# Altium PCB ECU rev B pcb.PcbDoc (part 3 of 6) (continued)
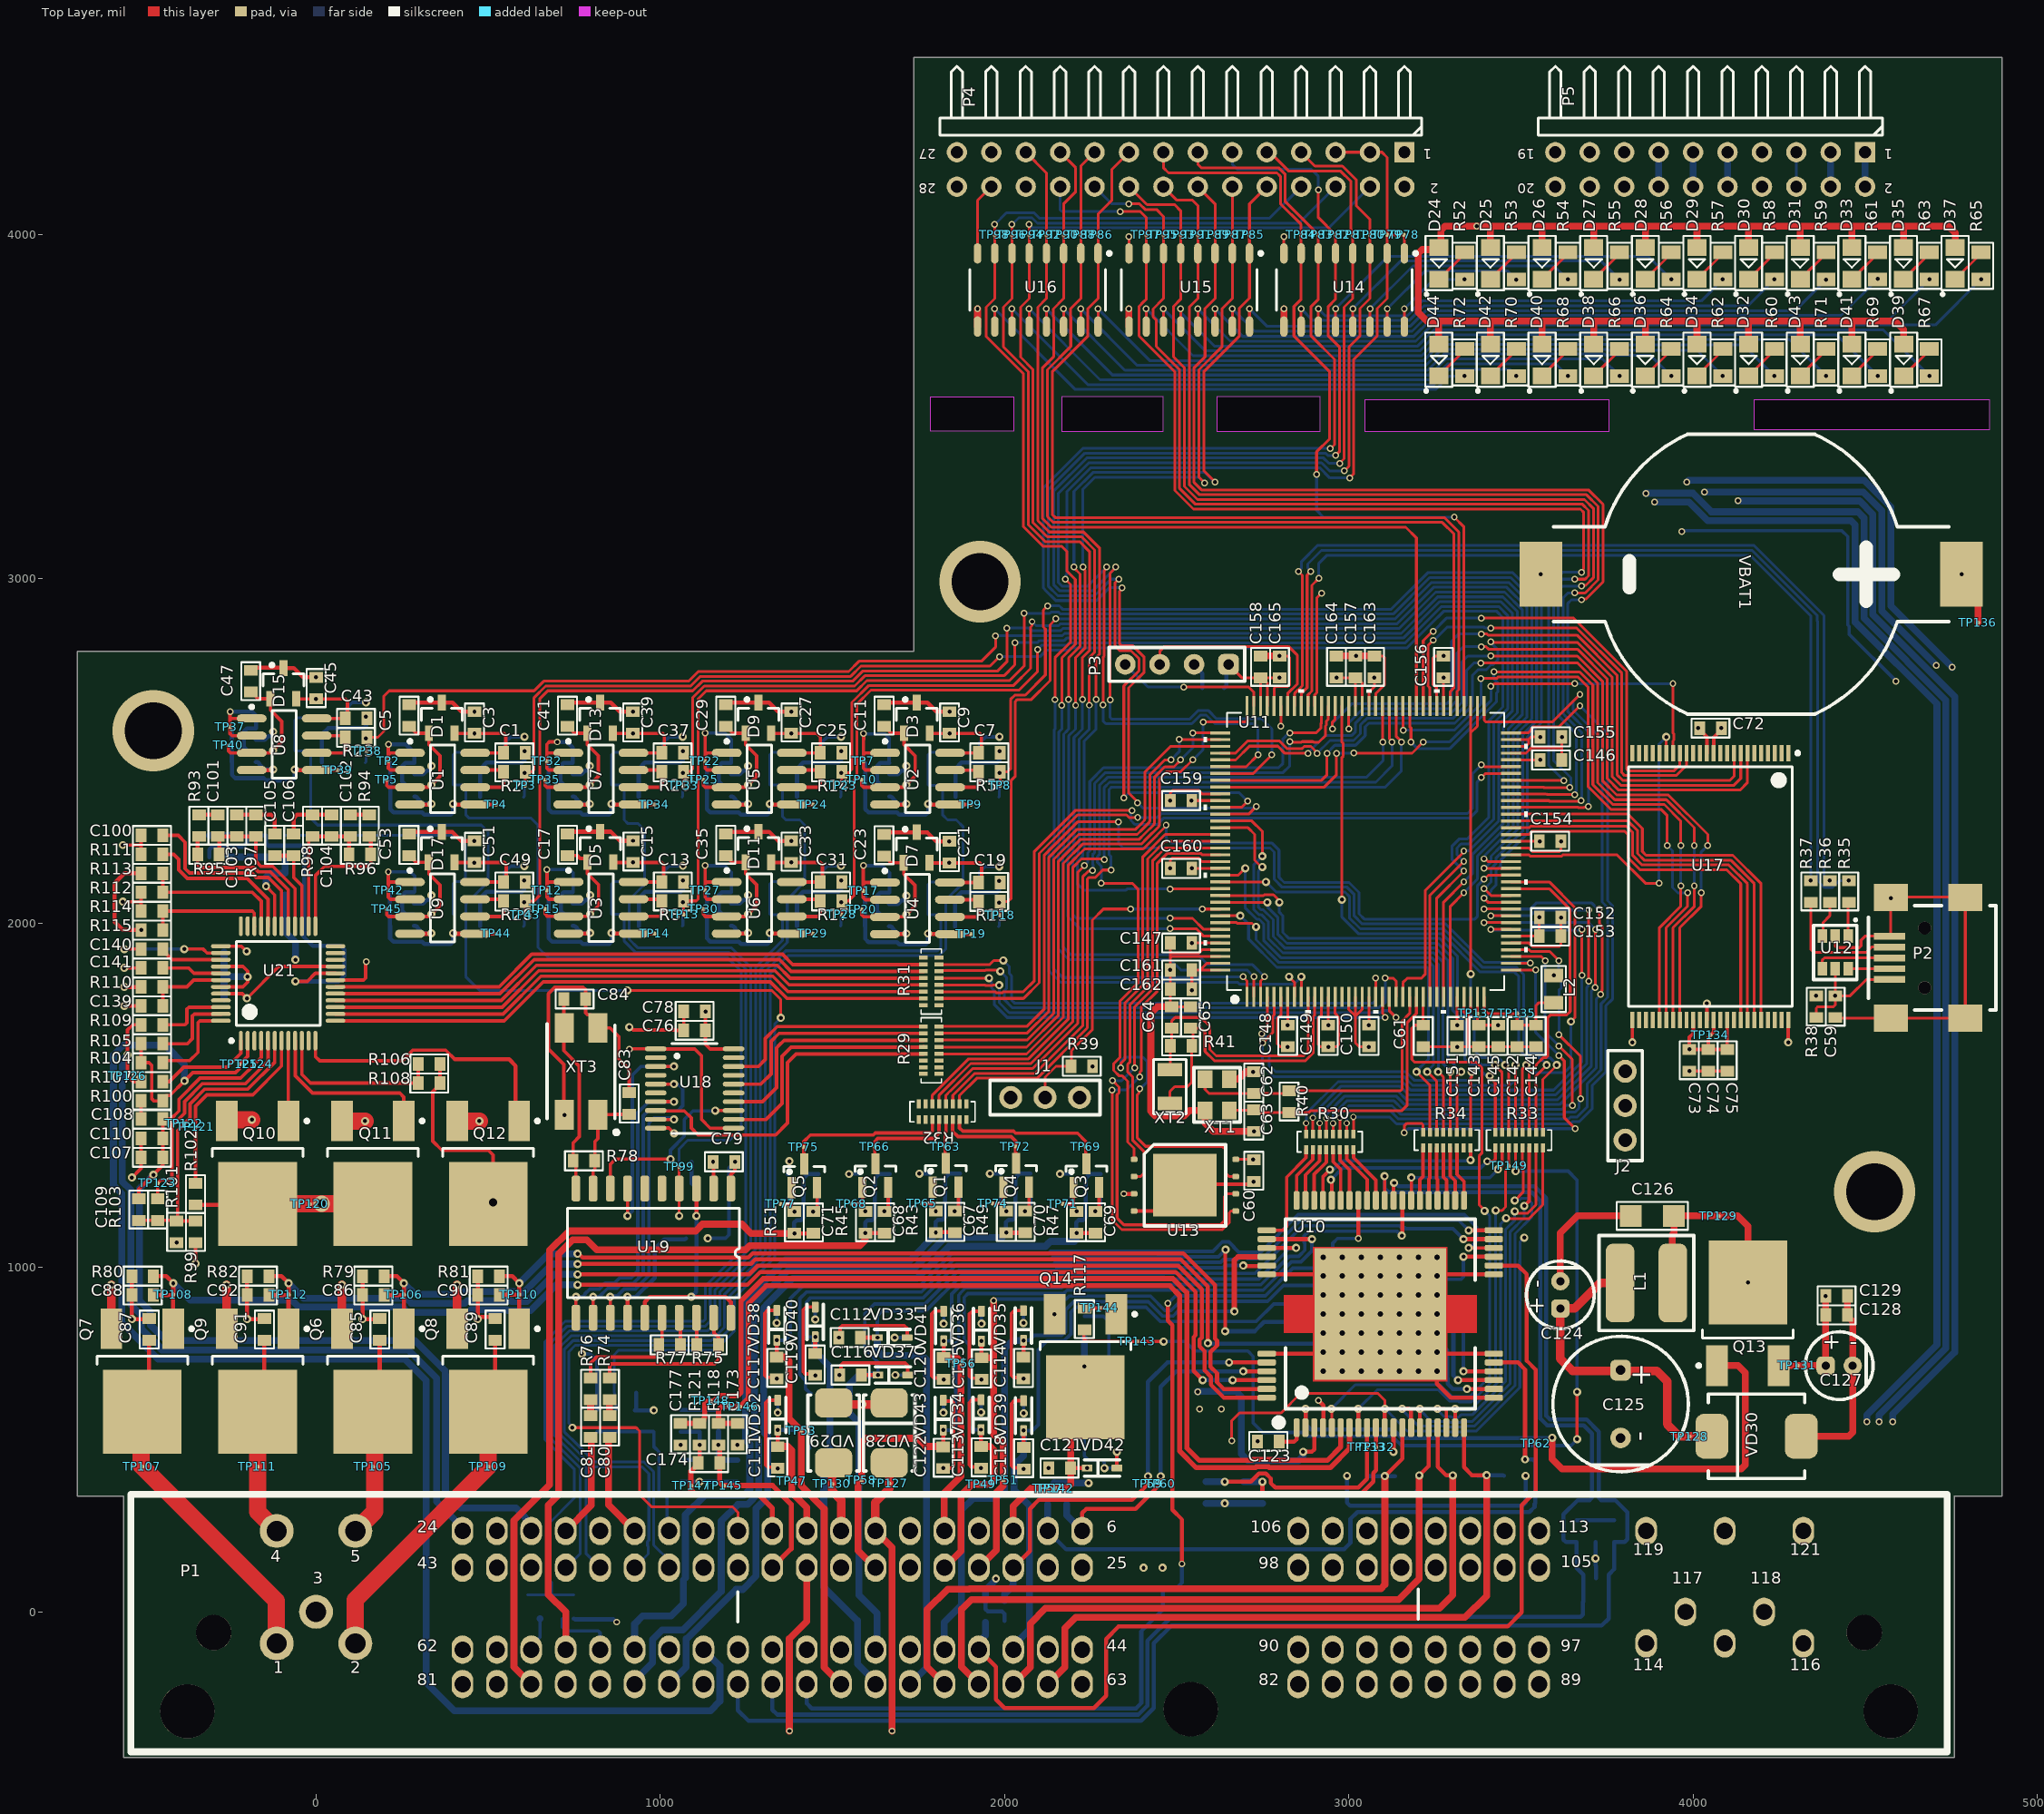
[diagram p0: Top Layer view]
## Nets (pads, with @x,y where several pads share a name; then routed paths per layer and width w, separated by ;. In a path a pad name is that pad's centre, name@x,y a point inside that pad or via, vN(x,y) a via of type N, cw(c..) or ccw(c..) an arc to the next point about the centre after c; other vN are vias at no path point) (continued)
  Bottom Layer w15: C170.1@1169.29,523.62 v1(1169.29,484.25) 1169.61,483.94 C172.2@1169.61,440.83 C171.2@1224.61,440.83
CPS_P: C174.1 C175.2 C176.2 P1.15 R119.2 R120.2 R121.1 TP147.0 | length 658.4
  Top Layer w12: C174.1@1110.24,429.13 1114.17,433.07 v1(1114.17,484.25)
  Top Layer w15: C174.1@1110.24,429.13 1089.18,408.08 1089.18,366.14 1089.18,354.21 1102.05,341.34 1285.47,341.34 1325.59,301.21 P1.15@1325.59,235.04
  Bottom Layer w12: C175.2@1059.06,440.83 C176.2@1114.49,440.83 1114.17,441.14 v1(1114.17,484.25) R120.2@1114.17,523.62 R119.2@1059.06,523.62
"ESF D": Q3.3 R32.15 TP69.0 | length 473.1
  Top Layer w10: R32.15@1869.37,1430 1869.37,1405.63 1879,1396 2026.08,1396 2032.08,1390 2212.36,1390 2236.22,1366.14 TP69.0@2236.22,1350.32 2236.22,1303.15 2237.89,1301.48 Q3.3@2237.89,1301.31
"ESF sensor": C69.2 P1.75 R47.1 TP70.0 VD13.2 | length 2519
  Top Layer w12: v1(2209.25,1100.02) C69.2@2264.42,1100.02
  Bottom Layer w12: v1@2208.66,1100.61 TP70.0@2208.66,1125.98 2208.66,1130.77 2215.69,1137.8 2228.35,1137.8 2236.22,1145.67 2236.22,1259.84 2248.03,1271.65 VD13.2@2279.53,1271.65
  Bottom Layer w20: P1.75@1025.59,-209.84 1074.8,-160.63 1074.8,-78.5 1076.38,-78.5 1220.03,65.15 1239.41,65.15 1278.09,103.84 1278.09,299.72 1312.29,333.92 1312.29,509.24 1300.03,521.5 1300.03,882.87 1312.74,895.58 1312.74,896.32 1321.27,904.86 1321.27,905.21 1384.56,968.5 1745.93,968.5 1838.81,1061.38 2118.29,1061.38 2126.17,1069.25 2127.2,1069.25 2133.95,1076 2203.69,1076 2208.66,1080.97 v1@2208.66,1098.43
FAN1: C112.2 P1.68 TP48.0 U10.31 VD17.2 VD33.1 | length 3179.8
  Top Layer w12: C112.2@1582.02,796.52 v2(1630.64,796.52) ; v1(3333.27,1082.48) U10.31@3421.89,1082.52
  Bottom Layer w10: v2(1630.64,796.52) 1630.64,858.99 1645.67,874.02 1771.65,874.02 1874.02,976.38 2154.54,976.38 2160.81,982.65 2463.98,982.65 2464.22,982.9 2727.9,982.9 2866.29,1121.29 3147.33,1121.29 3148.45,1120.17 3149.67,1118.95 3150.53,1118.95 3153.95,1115.53 3163.59,1115.53 3165.92,1113.19 3302.56,1113.19 v1(3333.27,1082.48)
  Bottom Layer w20: v2(1630.64,796.52) 1630.64,759.12 TP48.0@1645.67,744.09 1761.37,744.09 1773.09,732.38 1773.09,-162.35 P1.68@1725.59,-209.84
FAN2: C113.2 P1.29 TP49.0 U10.54 VD18.2 VD34.1 | length 2172.7
  Top Layer w12: C113.2@1932.24,480.39 v2(1932.24,529.01) ; U10.54@2761.89,1082.52 v1(2893.11,1082.48) v1(2893.11,1082.48)
  Top Layer w20: P1.29@1825.59,128.35 1874.02,176.77 1874.02,338.58 1905.51,370.08 TP49.0@1931.97,370.08 1958.35,370.08 1970.06,381.79 1970.06,468.6 1958.35,480.32 1932.32,480.32 C113.2@1932.24,480.39
  Bottom Layer w10: v2(1932.24,529.01) 1908,529.01 1897.64,539.37 1897.64,775.17 1883,789.81 1883,913 1894.27,924.27 2172.3,924.27 2182.09,934.06 2731.49,934.06 2751.43,934.06 2833.96,1016.59 2838.96,1016.59 2861.64,1016.59 2863.13,1018.08 2893.11,1048.07 v1(2893.11,1082.48)
FMC_D0: U11.84 U17.29 | length 2008.7
  Top Layer w8: U11.84@3177.13,2630.49 3177.13,2570.87 3181,2567 v2(3181,2526.29) ; v2(3422,2731) 3423.16,2729.84 3671.02,2729.84 3709.43,2691.43 3709.43,2402.49 3767.16,2344.76 3916.88,2344.76 3964.57,2297.07 v2(3964.57,2226.13) ; U17.29@3902.79,1718.57 3902.79,1987.18 3964.57,2048.96 v2(3964.57,2108.02)
  Bottom Layer w8: v2(3181,2526.29) 3181,2526 3182,2525 3182.29,2525 3200.84,2506.45 3292.85,2506.45 3429,2642.6 3429,2668 3432.84,2671.84 3432.84,2698.39 3422,2709.23 v2(3422,2731) ; v2(3964.57,2108.02) v2(3964.57,2226.13)
FMC_D1: U11.85 U17.30 | length 1944.2
  Top Layer w8: U11.85@3157.44,2630.49 3157.44,2631.68 3157.48,2631.72 3157.48,2561.52 v2(3158,2561) ; v2(3384,2711) 3430.06,2711 3434.9,2715.84 3665.22,2715.84 3695.43,2685.63 3695.43,2396.69 3761.36,2330.76 3907.26,2330.76 3925.2,2312.82 v2(3925.2,2226.13) ; U17.30@3922.47,1718.57 3922.47,1987.07 3984.25,2048.85 3984.25,2088.17 v2(3984.41,2088.33)
  Bottom Layer w8: v2(3158,2561) 3307.8,2561 3314.8,2568 3350,2603.2 3384,2637.2 v2(3384,2711) ; v2(3925.2,2226.13) 3940.94,2210.38 3940.94,2103.58 3956.35,2088.17 3983.94,2088.17 3984.25,2088.49 v2(3984.41,2088.33)
FMC_D2: U11.112 U17.31 | length 2545.9
  Top Layer w8: U11.112@2627.17,2493.92 2671.12,2493.92 2706.47,2529.27 2798.96,2529.27 2820.77,2507.45 2864.79,2507.45 2870.79,2513.45 2890.22,2513.45 2908.54,2495.13 v2(2908.54,2493.61) ; v2(3384,2756) 3664.66,2756 3723.43,2697.23 3723.43,2408.29 3772.96,2358.76 3922.68,2358.76 4003.94,2277.5 v2(4003.94,2226.13) ; U17.31@3942.16,1718.57 3942.16,1986.95 4004.25,2049.05 4004.25,2107.7 v2(4003.94,2108.02)
  Bottom Layer w8: v2(2908.54,2493.61) 2945.88,2530.95 3014.02,2530.95 3033.84,2550.77 3033.84,2576.04 3052.8,2595 3302.2,2595 3343,2635.8 3343,2735 3364,2756 v2(3384,2756) ; v2(4003.94,2108.02) v2(4003.94,2226.13)
FMC_D3: U11.113 U17.32 | length 2601
  Top Layer w8: U11.113@2627.17,2474.24 2671.8,2474.24 2711.83,2514.27 2794.16,2514.27 2814.97,2493.45 2881.84,2493.45 v2(2882,2493.61) ; v2(3413,2776) 3664.46,2776 3737.43,2703.03 3737.43,2414.08 3778.76,2372.76 3928.48,2372.76 4043.31,2257.93 v2(4043.31,2226.13) ; U17.32@3961.84,1718.57 3961.84,1986.84 4024.09,2049.09 v2(4024.09,2088.33)
  Bottom Layer w8: v2(2882,2493.61) 2881.39,2493.61 2881,2494 2881,2494.13 2931.87,2545 2944.48,2545 2944.54,2544.95 3008.22,2544.95 3019.84,2556.57 3019.84,2581.84 3047,2609 3296.4,2609 3329,2641.6 3329,2759 3346,2776 v2(3413,2776) ; v2(4024.09,2088.33) 4024.09,2206.91 v2(4043.31,2226.13)
FMC_D4: U11.57 U17.41 | length 1170.7
  Top Layer w8: U11.57@3471.17,2257.7 3523.96,2257.7 3533.96,2267.7 3801.02,2267.7 3811.02,2257.7 3811.02,2190.77 3846.46,2155.34 4098.35,2155.34 4139.01,2114.68 U17.41@4139.01,1718.57
FMC_D5: U11.58 U17.42 | length 1193.9
  Top Layer w8: U11.58@3471.17,2277.39 3523.85,2277.39 3528.16,2281.7 3806.82,2281.7 3825.02,2263.5 3825.02,2196.57 3852.26,2169.34 4104.15,2169.34 4158.69,2114.79 U17.42@4158.69,1718.57
FMC_D6: U11.59 U17.43 | length 1218.2
  Top Layer w8: U11.59@3471.17,2297.07 3811.25,2297.07 3839.02,2269.3 3839.02,2202.37 3858.05,2183.34 4109.94,2183.34 4178.38,2114.91 U17.43@4178.38,1718.57
FMC_D7: U11.60 U17.44 | length 1246.1
  Top Layer w8: U11.60@3471.17,2316.76 3811.37,2316.76 3853.02,2275.1 3853.02,2208.17 3863.85,2197.34 4115.74,2197.34 4198.06,2115.02 U17.44@4198.06,1718.57
"Fuel press": C117.2 P1.70 TP53.0 U10.30 VD22.2 VD38.1 | length 3519.1
  Top Layer w10: v1(3348.63,1056.89) U10.30@3421.89,1056.93
  Top Layer w12: C117.2@1338.58,740.16 v2(1338.58,788.78)
  Top Layer w20: C117.2@1338.58,740.16 1362.21,740.16 1374.27,728.1 1374.27,561.18 TP53.0@1409.45,526 1409.45,366.14 1476.38,299.21 1476.38,-160.63 P1.70@1525.59,-209.84
  Bottom Layer w10: v2(1338.58,788.78) 1363.58,788.78 1377.95,803.15 1377.95,909.45 1416.01,947.5 1754.63,947.5 1847.51,1040.38 2126.99,1040.38 2133.27,1046.65 2437.47,1046.65 2438.11,1047.3 2605.59,1047.3 2632.88,1074.58 2651.78,1074.58 2666.13,1060.23 2666.13,1058.87 2680.48,1044.52 2744.26,1044.52 2853.04,1153.29 2858.04,1153.29 2859.41,1153.29 3335.67,1153.29 3371.44,1117.52 3371.44,1076.44 3355.01,1060.01 3355.01,1055.16 v1@3355,1055
FuelG: C120.2 P1.10 TP56.0 U10.55 VD25.2 VD41.1 | length 1911.6
  Top Layer w12: C120.2@1823.5,738.23 v2(1823.5,786.85) ; U10.55@2761.89,1056.93 2847.01,1056.93 v1(2847.05,1056.89)
  Top Layer w20: C120.2@1823.5,738.23 1862.3,738.23 1874.02,726.51 TP56.0@1874.02,720.47 1874.02,393.7 1825.45,345.13 P1.10@1825.45,236.08
  Bottom Layer w10: v2(1823.5,786.85) 1840.6,786.85 1846.46,792.7 1846.46,923.21 1882.87,959.62 2160.41,959.62 2167.44,966.65 2470.6,966.65 2470.85,966.9 2719.08,966.9 2739.02,966.9 2826.4,1054.28 2844.44,1054.28 v1(2847.05,1056.89)
GND: C1.1 C2.1 C3.2 C4.1 C5.1 C6.1 C7.1 C8.1 C9.2 C10.1 C11.1 C12.1 C13.1 C14.1 C15.2 C16.1 C17.1 C18.1 C19.1 C20.1 C21.2 C22.1 C23.1 C24.1 C25.1 C26.1 C27.2 C28.1 C29.1 C30.1 C31.1 C32.1 C33.2 C34.1 C35.1 C36.1 C37.1 C38.1 C39.2 C40.1 C41.1 C42.1 C43.1 C44.1 C45.2 C46.1 C47.1 C48.1 C49.1 C50.1 C51.2 C52.1 C53.1 C54.1 C55.1 C56.1 C57.1 C58.1 C59.2 C60.2 C61.2 C62.2 C63.2 C64.2 C65.2 C66.1 C67.1 C68.1 C69.1 C70.1 C71.1 C72.1 C73.1 C74.1 C75.1 C76.2 C77.2 C78.2 C79.1 C82.1 C83.1 C84.1 C85.1 C86.1 C87.1 C88.1 C89.1 C90.1 C91.1 C92.1 C93.1 C94.1 C95.1 C96.2 C97.1 C98.2 C99.1 C100.2 C107.2 C110.1 C111.1 C112.1 C113.1 C114.1 C115.1 C116.1 C117.1 C118.1 C119.1 C120.1 C121.1 C122.1 C124.0 C125.0 C126.1 C127.0 C128.1 C129.1 C130.1 C131.1 C132.1 C133.1 C134.1 C135.1 C136.1 C137.1 C138.1 C139.1 C141.2 C142.2 C143.2 C144.1 C145.1 C146.1 C147.1 C148.1 C149.1 C150.1 C151.1 C152.1 C153.1 C154.1 C155.1 C156.1 C157.1 C158.1 C159.1 C160.1 C161.1 C162.1 C163.1 C164.1 C165.1 C166.1 C167.1 C168.1 C169.1 C171.1 C172.1 C173.1 C175.1 C176.1 C177.1 D1.1 D2.0 D3.1 D4.0 D5.1 D6.0 D7.1 D8.0 D9.1 D10.0 D11.1 D12.0 D13.1 D14.0 D15.1 D16.0 D17.1 D18.0 D19.2 D20.2 D21.2 D22.2 D23.2 P1.3 P1.9 P1.11 P1.17 P1.20 P1.25 P1.26 P1.30 P1.35 P1.36 P1.41 P1.42 P1.43 P1.49 P1.51 P1.52 P1.53 P1.54 P1.56 P1.58 P1.60 P1.61 P1.62 P1.74 P1.77 P1.78 P1.80 P1.81 P2.5 P2.6 P3.2 P4.24 P4.25 P4.26 P4.27 P4.28 P5.7 P5.8 P5.15 P5.16 P5.19 P5.20 Q1.2 Q2.2 Q3.2 Q4.2 Q5.2 Q6.3 Q7.3 Q8.3 Q9.3 Q10.3 Q11.3 Q12.3 Q14.3 R3.2 R3.4 R6.2 R6.4 R9.2 R9.4 R12.2 R12.4 R15.2 R15.4 R18.2 R18.4 R21.2 R21.4 R24.2 R24.4 R27.2 R27.4 R28.2 R28.4 R39.2 R79.1 R80.1 R81.1 R82.1 R89.2 R92.2 R99.1 R111.1 R112.1 R114.1 U1.4 U2.4 U3.4 U4.4 U5.4 U6.4 U7.4 U8.4 U9.4 U10.21 U10.26 U10.27 U10.58 U10.59 U10.65 U11.6 U11.12 U11.14 U11.16 U11.17 U11.18 U11.33 U11.34 U11.41 U11.55 U11.69 U11.80 U11.89 U11.104 U11.118 U11.128 U11.141 U11.142 U12.2 U13.4 U13.9 U14.8 U15.8 U16.8 U17.13 U17.25 U17.36 U17.48 U18.10 U19.2 U20.3 U21.20 U21.40 U21.43 VBAT1.1 VD30.0 VD32.2 VD33.2 VD34.2 VD35.2 VD36.2 VD37.2 VD38.2 VD39.2 VD40.2 VD41.2 VD42.2 VD43.2 XT1.3 XT3.3 | length 26136.2
  Top Layer w8: U16.8@1921.83,3945.57 1921.83,4099.27 P4.26@1961.83,4139.27 ; U15.8@2361.83,3945.57 v2(2361.83,3994.27) ; C147.1@2481.5,1942.74 2481.5,1917.74 ; v1(2481.5,2159.28) 2481.5,2182.96 2487.5,2188.96 2564.39,2188.96 2574.39,2178.96 U11.128@2627.17,2178.96 ; v1(2481.5,2356.13) 2481.5,2378.27 2489.05,2385.81 2564.39,2385.81 2574.39,2375.81 U11.118@2627.17,2375.81 ; C65.2@2540.56,1757.7 C64.2@2485.44,1757.7 2481.5,1761.64 C162.1@2481.5,1808.88 v1(2481.5,1864) 2481.5,1898.69 ; U11.142@2627.17,1903.37 2486.19,1903.37 2481.5,1898.69 ; U11.141@2627.17,1923.06 2574.76,1923.06 2564.76,1913.06 2486.19,1913.06 2481.5,1917.74 ; U11.104@2783.46,2630.53 2783.46,2682.73 2788.15,2687.42 2823,2687.42 2828.86,2693.28 2828.86,2770.14 2822.83,2776.16 v1(2799.17,2776.16) ; U11.6@2803.11,1786.49 2803.11,1733.7 2793.11,1723.7 2793.11,1649.63 2801.92,1640.82 v1(2822.8,1640.82) ; U14.8@2811.83,3945.57 v2(2811.83,3994.27) ; U11.12@2921.22,1786.49 2921.22,1733.7 2911.22,1723.7 2911.22,1647.63 2918.03,1640.82 v1(2940.91,1640.82) ; C149.1@2942.83,1638.9 v1(2940.91,1640.82) ; U11.14@2960.59,1786.49 2960.59,1737.97 2970.59,1727.97 2970.59,1646.82 2964.59,1640.82 v1(2940.91,1640.82) ; U11.16@2999.96,1786.49 2999.96,1749.88 3019.65,1730.19 ; U11.17@3019.65,1786.49 3019.65,1730.19 ; U11.18@3039.33,1786.49 3039.33,1749.88 3019.65,1730.19 ; v1(3059.02,1640.82) 3031.46,1640.82 3019.65,1652.63 3019.65,1730.19 ; C163.1@3074.76,2776.16 3098.43,2776.16 3104.45,2770.14 3104.45,2692.86 3078.7,2667.11 U11.89@3078.7,2630.49 ; C61.2@3216.5,1640.82 v1(3314.92,1640.82) 3339.92,1640.82 3344.61,1640.82 ; U11.80@3255.87,2630.49 3255.87,2683.28 3244.54,2694.61 3244.54,2768.73 3251.97,2776.16 v1(3275.55,2776.16) ; U11.33@3334.61,1786.49 3334.61,1741.67 3344.61,1731.67 ; U11.34@3354.29,1786.49 3354.29,1741.35 3344.61,1731.67 ; U11.41@3471.17,1942.74 3523.96,1942.74 3533.96,1932.74 3612.16,1932.74 3616.84,1937.43 C153.1@3616.84,1962.43 3616.73,1962.54 3616.73,2016.21 v1(3616.84,2016.32) ; U11.55@3471.17,2218.33 3523.96,2218.33 3531.03,2211.26 3533.96,2208.33 3612.16,2208.33 3616.84,2213.02 v1(3616.84,2238.02) ; U11.69@3471.17,2493.92 3515.04,2493.92 3530.23,2509.11 3619.3,2509.11 ; C144.1@3544.5,1640.82 C142.2@3489.38,1640.82 C145.1@3434.26,1640.82 C143.2@3378.48,1640.82 3344.61,1640.82 ; C146.1@3619.3,2474.24 3619.3,2509.11 ; v1(3619.3,2541.17) 3619.3,2509.11 ; U17.25@3823.64,1705.11 3824.05,1705.52 U17.25@3824.05,1718.57 ; C59.2@4413.39,1726.21 4415.35,1724.24 P2.6@4791.34,1724.24 P2.6@4791.34,2074.63 4789.37,2076.6 4582.68,2076.6 4580.71,2074.63 P2.6@4574.8,2074.63 4574.8,1966.36 P2.5@4570.87,1962.43 4500,1962.43 4488.19,1950.62 4488.19,1933.87 4483.5,1929.18 4418.07,1929.18 4413.39,1933.87 U12.2@4413.39,1962.43 ; 2481.5,1898.69 2481.5,1917.74 ; 3344.61,1640.82 3344.61,1731.67
  Top Layer w10: v1(-561.33,2062.5) -507.99,2062.5 ; v1(-561.33,2227) -507.99,2227 ; v1(-557.44,1760) C139.1@-507.99,1760 ; v1(-557.44,1870) C141.2@-507.99,1870 ; v1(-534.69,1261.22) -507.99,1287.91 C107.2@-507.99,1320 C110.1@-507.99,1375 ; R114.1@-507.99,2035 -507.99,2062.5 ; R112.1@-507.99,2090 -507.99,2062.5 ; R111.1@-507.99,2200 -507.99,2227 ; C100.2@-507.99,2255 -507.99,2227 ; R99.1@-350,1072.01 -350,1011.98 v1(-349.76,1011.74) ; U21.43@-276.34,1815.16 -212.36,1815.16 -198.58,1828.94 v1(-198.58,1844.68) -198.58,1860.43 -212.36,1874.21 U21.40@-276.34,1874.21 ; v1(-59.97,1831.03) -25.23,1831.03 -1.73,1854.53 U21.20@56.34,1854.53 ; XT3.3@715,1438.23 XT3.3@720.79,1444.02 720.79,1454.21 720,1455 720,1590 675,1635 675,1795 694,1814 776,1814 782.99,1807.01 782.99,1740.15 788.85,1734.29 796.65,1734.29 819.21,1711.73 XT3.3@819.21,1695.98 854.02,1695.98 880,1670 880,1605 910,1575 C83.1@910,1507.99 ; v1(910,1697.99) 913.69,1697.99 921.68,1690 1045,1690 1046.06,1688.94 C76.2@1068.3,1688.94 C78.2@1068.3,1743.97 ; U18.10@986.81,1404.84 999.84,1404.84 1000,1405 1025,1405 v1(1040,1390) ; v1(1153.54,1307.09) 1155.12,1305.51 U19.2@1155.12,1229.53 ; v1(1338.58,677.17) 1334.76,680.99 1309.76,680.99 1303.58,687.17 1303.58,867.17 1311.81,875.39 VD38.2@1338.58,875.39 ; v1(1341.36,416.64) 1337.53,420.46 1312.53,420.46 1306.36,426.64 1306.36,606.64 1314.58,614.86 VD32.2@1341.36,614.86 ; C71.1@1444.97,1162.5 1445.1,1162.5 1455.84,1173.25 Q5.2@1455.84,1231.9 ; v1(1450.12,687.13) 1446.29,690.95 1421.29,690.95 1415.12,697.13 1415.12,877.13 1423.34,885.35 VD40.2@1450.12,885.35 ; v1(1519.03,796.52) 1522.86,800.35 1522.86,825.35 1529.03,831.52 1709.03,831.52 1717.26,823.3 VD33.2@1717.26,796.52 ; v1(1521.02,687.83) 1524.85,691.66 1524.85,716.66 1531.02,722.83 1711.02,722.83 1719.25,714.61 VD37.2@1719.25,687.83 ; C68.1@1651.46,1162.94 1651.59,1162.94 1662.34,1173.68 Q2.2@1662.34,1232.33 ; VD43.2@1822.21,614.6 1824.67,612.14 1847.04,612.14 1852.9,606.28 1852.9,423.18 1847.04,417.32 v2(1822.83,417.32) ; v1(1823.5,675.24) 1819.67,679.06 1794.67,679.06 1788.5,685.24 1788.5,865.24 1796.73,873.46 VD41.2@1823.5,873.46 ; C67.1@1855.76,1164 1855.88,1164 1866.63,1174.75 Q1.2@1866.63,1233.39 ; v1(1932.24,417.4) 1928.42,421.23 1903.42,421.23 1897.24,427.4 1897.24,607.4 1905.47,615.63 VD34.2@1932.24,615.63 ; v1(1933.23,674.96) 1929.4,678.79 1904.4,678.79 1898.23,684.96 1898.23,864.96 1906.45,873.19 VD36.2@1933.23,873.19 ; v1(2055.2,676.69) 2051.37,680.52 2026.37,680.52 2020.2,686.69 2020.2,866.69 2028.42,874.92 VD35.2@2055.2,874.92 ; v1(2055.67,414.84) 2051.84,418.67 2026.84,418.67 2020.67,424.84 2020.67,604.84 2028.89,613.07 VD39.2@2055.67,613.07 ; C70.1@2060.52,1164 2060.65,1164 2071.4,1174.75 Q4.2@2071.4,1233.39 ; v1(2128.5,417.6) C121.1@2132.33,421.43 ; C69.1@2264.42,1163.02 2264.55,1163.02 2275.29,1173.76 Q3.2@2275.29,1232.41 ; VD42.2@2326.73,417.6 v1@2326.73,464.52 ; U13.4@2376.54,1164.04 2449.18,1164.04 2527.1,1241.95 2716.37,1241.95 v1(2724.22,1249.8) ; U17.25@3823.64,1705.11 3824.05,1704.7 v1(3824.05,1653.93) ; C73.1@3999.64,1570.57 v1(3989.64,1570.57) C75.1@4099.64,1570.57 C74.1@4044.64,1570.57 ; C72.1@4019.64,2562.63 4040.58,2541.69 U17.13@4040.58,2494.16 ; U17.36@4040.58,1718.57 v1(4040.58,1766.53) ; v1(4276.8,1653.93) U17.48@4276.8,1718.57
  Top Layer w12: R80.1@-535,975 C88.1@-535,920 v1(-535,850) -497.25,850 -490.22,857.03 C87.1@-484.61,851.42 ; R82.1@-200,975 C92.1@-200,920 v1(-200,850) -162.25,850 -155.22,857.03 C91.1@-149.61,851.42 ; C47.1@-189.61,2734.41 -182.29,2741.73 -95.62,2741.73 -95.41,2741.51 -64.7,2741.51 -37.6,2714.41 v1(0.39,2714.41) ; U8.4@-186.85,2444.76 -126.26,2444.76 v1(-124.61,2446.42) ; R79.1@135,975 C86.1@135,920 v1(135,850) 172.75,850 179.78,857.03 C85.1@185.39,851.42 ; C53.1@270.17,2259.04 276.46,2265.34 D17.1@365.17,2265.34 395.87,2265.34 422.17,2239.04 v1(460.17,2239.04) ; C5.1@270.39,2634.41 276.69,2640.71 D1.1@365.39,2640.71 396.1,2640.71 422.4,2614.41 v1(460.39,2614.41) ; U9.4@272.92,1969.39 333.51,1969.39 v1(335.17,1971.05) ; U1.4@273.15,2344.76 333.74,2344.76 v1(335.39,2346.42) ; R81.1@470,975 C90.1@470,920 v1(470,850) 473.14,850 480.17,857.03 514.78,857.03 C89.1@520.39,851.42 ; C41.1@730.39,2634.41 736.69,2640.71 D13.1@825.39,2640.71 856.1,2640.71 882.4,2614.41 v1(920.39,2614.41) ; C17.1@730.91,2259.51 737.2,2265.81 D5.1@825.91,2265.81 856.61,2265.81 882.91,2239.51 v1(920.91,2239.51) ; U7.4@733.15,2344.76 793.74,2344.76 v1(795.39,2346.42) ; U3.4@733.66,1969.87 794.25,1969.87 v1(795.91,1971.52) ; C35.1@1190.39,2259.41 1196.69,2265.71 D11.1@1285.39,2265.71 1316.1,2265.71 1342.4,2239.41 v1(1380.39,2239.41) ; C29.1@1190.39,2634.41 1196.69,2640.71 D9.1@1285.39,2640.71 1316.1,2640.71 1342.4,2614.41 v1(1380.39,2614.41) ; U6.4@1193.15,1969.76 1253.74,1969.76 v1(1255.39,1971.42) ; U5.4@1193.15,2344.76 1253.74,2344.76 v1(1255.39,2346.42) ; C23.1@1650,2257.99 1656.3,2264.29 D7.1@1745,2264.29 1775.71,2264.29 1802.01,2237.99 v1(1840,2237.99) ; C11.1@1650.39,2634.41 1656.69,2640.71 D3.1@1745.39,2640.71 1776.1,2640.71 1802.4,2614.41 v1(1840.39,2614.41) ; U4.4@1652.76,1968.35 1713.35,1968.35 v1(1715,1970) ; U2.4@1653.15,2344.76 1713.74,2344.76 v1(1715.39,2346.42) ; U10.59@2761.89,749.84 2926.54,749.84 2976.73,749.84 v3(2981.65,754.76) v3(3036.77,809.88) v3(3091.89,865) ; U10.58@2761.89,980.16 U10.58@2761.89,980.16 2926.54,980.12 2976.77,980.12 v3(3036.77,920.12) v3(3091.89,865) ; U10.21@3421.89,621.89 3297.41,621.89 3256.21,663.08 3256.21,700.68 U10.65@3207.05,749.84 ; U10.26@3421.89,749.84 3257.24,749.84 U10.65@3207.05,749.84 ; U10.27@3421.89,980.16 3257.24,980.16 3207.05,980.16 v3(3202.13,975.24) v3(3147.01,920.12) v3(3091.89,865) ; v3(3091.89,865) v3(3147.01,809.88) v3(3202.13,754.76) U10.65@3207.05,749.84
  Top Layer w20: C64.2@2485.44,1757.7 2444.88,1757.7 2425.2,1738.02 2425.2,1454.55 2428.88,1450.87 2428.88,1449.89 2438.25,1440.52 2522.38,1440.52 2538.17,1456.32 XT1.3@2582.26,1456.32 2582.26,1419.54 2606.3,1395.5 v1(2724.41,1395.5) ; XT1.3@2653.12,1546.87 2678.93,1546.87 2700.79,1568.73 C62.2@2724.41,1568.73 ; C158.1@2744.05,2776.16 v1(2799.17,2776.16) ; C164.1@2964.53,2776.16 C157.1@3019.65,2776.16 C163.1@3074.76,2776.16 ; C124.0@3615,960 3615,1100 3665,1150 C126.1@3819.02,1150 ; VD30.0@4314.92,510 4452.65,510 4464.37,521.72 4464.37,843.24 4448.93,858.68 C129.1@4448.93,917.61
  Top Layer w25: Q7.3@-595,822.68 v1(-595,950) ; Q9.3@-260,822.68 v1(-260,950) ; Q6.3@75,822.68 v1(75,950) ; Q8.3@410,822.68 v1(410,950)
  Top Layer w50: Q10.3@-250.88,1429.22 v1(-186.25,1429.22) ; Q11.3@75.63,1425.63 v1(142.31,1425.63) ; Q12.3@410.63,1425.63 v1(474.63,1425.63)
  GND w20: P1.9@1925.59,230.62 P1.9@1925.59,235.04 ; v1(2724.22,1249.8) 2755.11,1249.8 2766.83,1261.52 2766.83,1383.78 2755.11,1395.5 v1(2724.41,1395.5)
  GND w25: P1.60@625.59,-109.84 625.59,-36.97 641.83,-20.73 736.48,-20.73 P1.58@825.59,-109.84
  GND w50: v1(795.91,1971.52) 795.91,1812.09 v1(910,1697.99)
  Bottom Layer w10: P1.60@625.59,-109.84 625.59,-98.94 650.87,-73.66 R28.4@650.87,-19.84 ; R28.2@715.43,-19.84 715.43,-45.06 725.59,-55.22 819.73,-55.22 825.59,-61.07 P1.58@825.59,-109.84 ; v1(1444.33,1162.5) 1460.08,1178.25 D23.2@1460.08,1204.21 ; v1(1650.83,1162.94) 1667,1179.11 1667,1200 1666.57,1200.43 D20.2@1666.57,1204.65 ; v1(1855.12,1164) 1870.87,1179.75 D19.2@1870.87,1205.71 ; v1(2059.88,1164) 2075.63,1179.75 D22.2@2075.63,1205.71 ; v1(2263.78,1163.02) 2279.53,1178.76 D21.2@2279.53,1204.72
  Bottom Layer w12: C95.1@-310,2192.01 -310,2213.76 -301.72,2222.03 -211.22,2222.03 -200,2233.25 R92.2@-200,2255 C99.1@-145,2255 -145,2232.03 -137.97,2225 -42.03,2225 -35,2217.97 C98.2@-35,2192.01 -35,1970 ; R24.4@-174.76,2467.6 -170.79,2467.6 -169.61,2466.42 -167.87,2466.42 -163.05,2461.59 -163.05,2459.86 -149.61,2446.42 v1(-124.61,2446.42) ; R24.2@-174.76,2532.17 -148.86,2532.17 -138.29,2542.73 -134.35,2542.73 -124.61,2552.48 v1(-124.61,2556.42) ; v1(-59.97,1831.03) 65.45,1831.03 82.57,1848.14 82.57,1923.17 70.87,1934.87 -9.87,1934.87 -35.03,1960.03 -35.03,1969.97 ; D16.0@17.4,2466.42 17.4,2548.43 35.39,2566.42 138.36,2566.42 145.39,2573.45 v1(145.39,2599.41) ; R27.4@285.01,1992.23 288.98,1992.23 290.17,1991.05 291.9,1991.05 296.72,1986.22 296.72,1984.49 310.17,1971.05 v1(335.17,1971.05) ; R27.2@285.01,2056.8 310.91,2056.8 321.48,2067.36 325.42,2067.36 335.17,2077.11 v1(335.17,2081.05) ; R3.4@285.24,2367.6 289.21,2367.6 290.39,2366.42 292.13,2366.42 296.95,2361.59 296.95,2359.86 310.39,2346.42 v1(335.39,2346.42) ; R3.2@285.24,2432.17 311.14,2432.17 321.71,2442.73 325.65,2442.73 335.39,2452.48 v1(335.39,2456.42) ; D18.0@477.17,1991.05 477.17,2073.06 495.17,2091.05 598.14,2091.05 605.17,2098.08 v1(605.17,2124.04) ; D2.0@477.4,2366.42 477.4,2448.43 495.39,2466.42 598.36,2466.42 605.39,2473.45 v1(605.39,2499.41) ; R21.4@745.24,2367.6 749.21,2367.6 750.39,2366.42 752.13,2366.42 756.95,2361.59 756.95,2359.86 770.39,2346.42 v1(795.39,2346.42) ; R21.2@745.24,2432.17 771.14,2432.17 781.71,2442.73 785.65,2442.73 795.39,2452.48 v1(795.39,2456.42) ; R9.4@745.75,1992.7 749.72,1992.7 750.91,1991.52 752.64,1991.52 757.46,1986.69 757.46,1984.96 770.91,1971.52 v1(795.91,1971.52) ; R9.2@745.75,2057.27 771.65,2057.27 782.22,2067.83 786.16,2067.83 795.91,2077.58 v1(795.91,2081.52) ; C96.2@930.28,636.06 930.28,589.06 C97.1@926.34,585.12 v1(981.34,585.12) ; D14.0@937.4,2366.42 937.4,2448.43 955.39,2466.42 1058.36,2466.42 1065.39,2473.45 v1(1065.39,2499.41) ; D6.0@937.91,1991.52 937.91,2073.53 955.91,2091.52 1058.88,2091.52 1065.91,2098.55 v1(1065.91,2124.51) ; C175.1@1059.06,377.95 1059.17,377.83 v1(1114.49,377.83) C172.1@1169.61,377.83 C171.1@1224.61,377.83 ; R18.4@1205.24,1992.6 1209.21,1992.6 1210.39,1991.42 1212.13,1991.42 1216.95,1986.59 1216.95,1984.86 1230.39,1971.42 v1(1255.39,1971.42) ; R18.2@1205.24,2057.17 1231.14,2057.17 1241.71,2067.73 1245.65,2067.73 1255.39,2077.48 v1(1255.39,2081.42) ; R15.4@1205.24,2367.6 1209.21,2367.6 1210.39,2366.42 1212.13,2366.42 1216.95,2361.59 1216.95,2359.86 1230.39,2346.42 v1(1255.39,2346.42) ; R15.2@1205.24,2432.17 1231.14,2432.17 1241.71,2442.73 1245.65,2442.73 1255.39,2452.48 v1(1255.39,2456.42) ; D12.0@1397.4,1991.42 1397.4,2073.43 1415.39,2091.42 1518.36,2091.42 1525.39,2098.45 v1(1525.39,2124.41) ; D10.0@1397.4,2366.42 1397.4,2448.43 1415.39,2466.42 1518.36,2466.42 1525.39,2473.45 v1(1525.39,2499.41) ; R12.4@1664.84,1991.18 1668.82,1991.18 1670,1990 1671.73,1990 1676.56,1985.17 1676.56,1983.44 1690,1970 v1(1715,1970) ; R12.2@1664.84,2055.75 1690.75,2055.75 1701.31,2066.31 1705.25,2066.31 1715,2076.06 v1(1715,2080) ; R6.4@1665.24,2367.6 1669.21,2367.6 1670.39,2366.42 1672.13,2366.42 1676.95,2361.59 1676.95,2359.86 1690.39,2346.42 v1(1715.39,2346.42) ; R6.2@1665.24,2432.17 1691.14,2432.17 1701.71,2442.73 1705.65,2442.73 1715.39,2452.48 v1(1715.39,2456.42) ; D8.0@1857.01,1990 1857.01,2072.01 1875,2090 1977.97,2090 1985,2097.03 v1(1985,2122.99) ; D4.0@1857.4,2366.42 1857.4,2448.43 1875.39,2466.42 1978.36,2466.42 1985.39,2473.45 v1(1985.39,2499.41) ; C58.1@1945,32.99 1945,8.08 1952.03,1.05 1992.97,1.05 2000,-5.98 C55.1@2000,-26.06 ; P3.2@2550.9,2751.82 2550.9,2748.7 2574.8,2724.81 C66.1@2574.8,2682.9 ; v1(2995.13,394.87) C168.1@2995.13,339.87 2995,339.74 2995,317.03 3003.85,308.18 3505.45,308.18 3514.3,317.03 C167.1@3514.3,339.87 v1(3514.3,394.87) ; C93.1@3716.78,202.56 v1(3716.78,155.06) 3716.78,134.59 3718.08,133.29 U20.3@3718.08,97.39
  Bottom Layer w20: C137.1@-266.93,1780.23 -266.93,1844.68 ; C136.1@-266.93,1916.1 -266.93,1844.68 ; v1(-198.58,1844.68) -266.93,1844.68 ; R28.4@650.57,-20.14 R28.4@650.87,-19.84 ; P1.54@1225.59,-109.84 P1.54@1225.89,-109.55 ; C58.1@1945,32.99 1945,63 1975.17,93.17 v1(1975.17,96.23) ; 2145,375 2144.02,374.02 v1(2244.09,374.02) ; C131.1@2585,315.02 v1(2640,315.02) C130.1@2694.38,315.02 C132.1@2749.38,315.02
  other v1: 2404.14,128.34 2326.75,464.55 1059.06,484.25 1224.41,484.25 722,1443 2722.74,1568.73 3021,2776.16
  other v2: 2566.83,589.27 2255.91,1584.47 4574.8,2072.48 4015.75,2566.57 3558.27,3013.61
  other v3: 2926.54,699.65 2981.65,699.65 3036.77,699.65 3091.89,699.65 3147.01,699.65 3202.13,699.65 3257.24,699.65 2926.54,754.76 3036.77,754.76 3091.89,754.76 3147.01,754.76 3257.24,754.76 2926.54,809.88 2981.65,809.88 3091.89,809.88 3202.13,809.88 3257.24,809.88 2926.54,865 2981.65,865 3036.77,865 3147.01,865 3202.13,865 3257.24,865 2926.54,920.12 2981.65,920.12 3091.89,920.12 3202.13,920.12 3257.24,920.12 2926.54,975.24 2981.65,975.24 3036.77,975.24 3091.89,975.24 3147.01,975.24 3257.24,975.24 2926.54,1030.35 2981.65,1030.35 3036.77,1030.35 3091.89,1030.35 3147.01,1030.35 3202.13,1030.35 3257.24,1030.35
  other v6: 4527.56,1220.47 -472.44,2559.06
  other v7: 1929.13,2992.13
  other v8: 2145.46,864.35